# KiCad board yddraig09.kicad_pcb (continued)
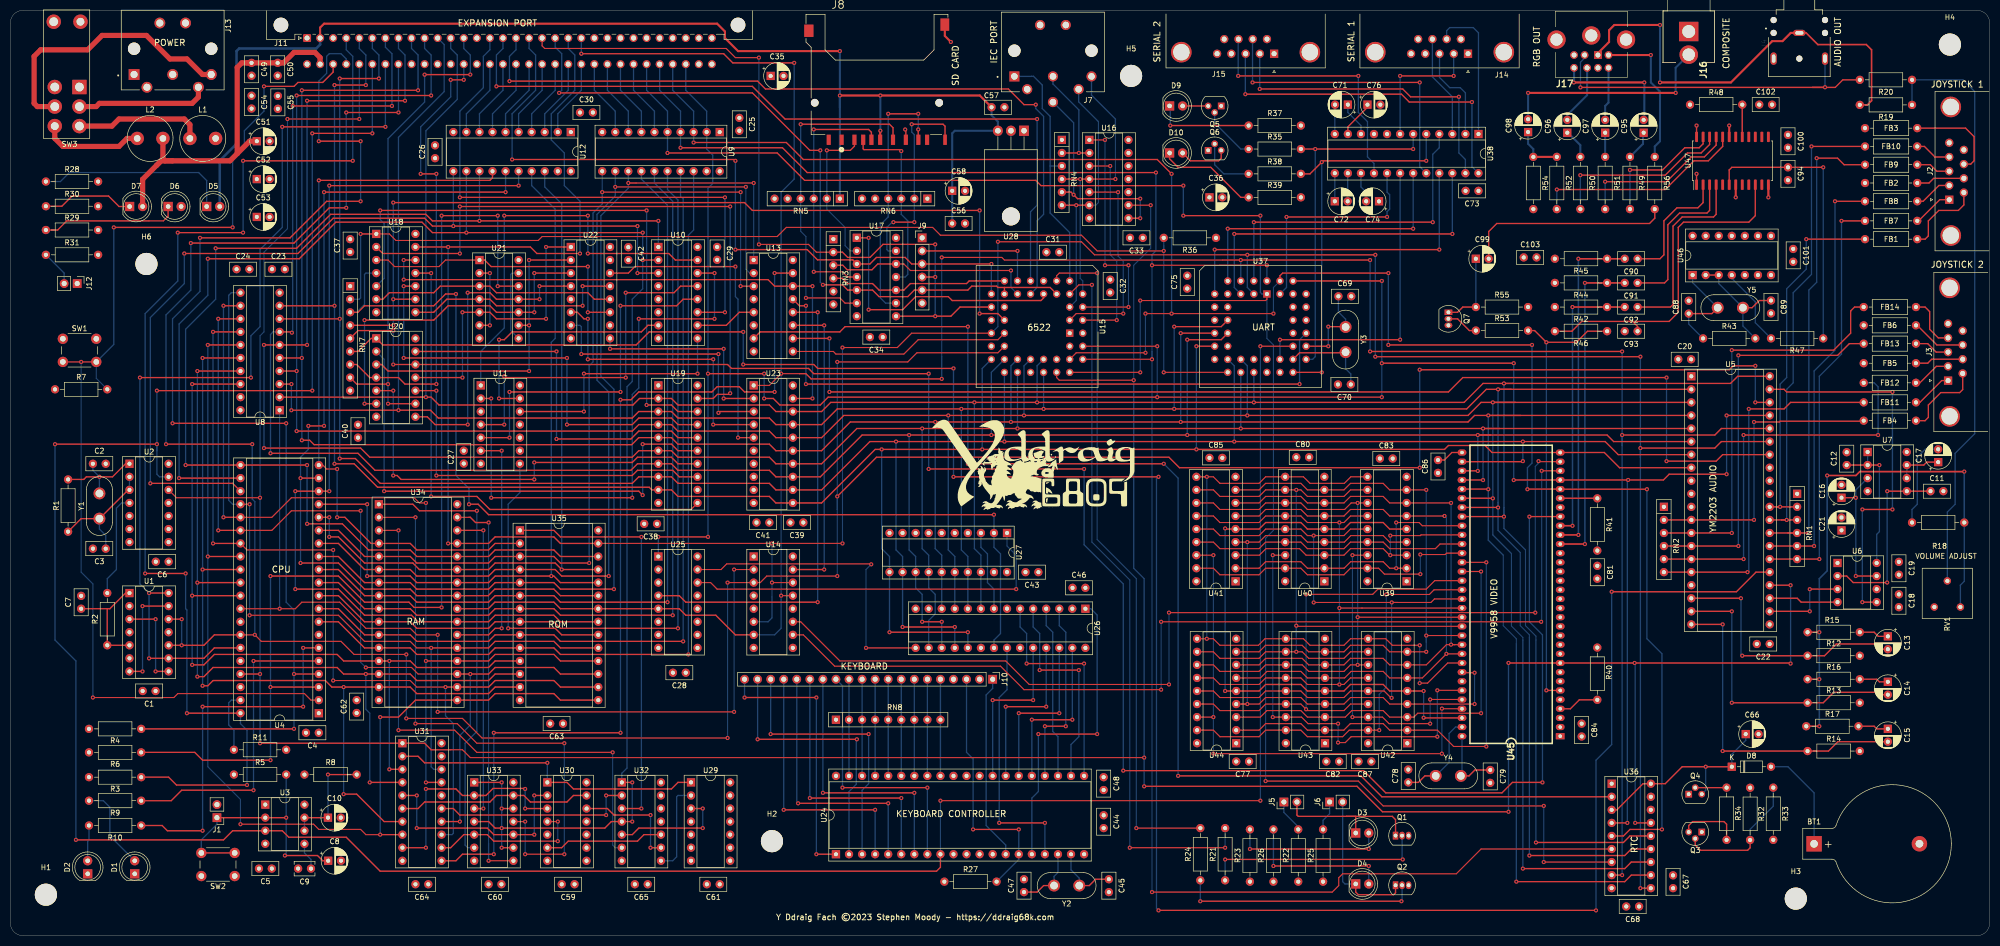
[diagram p0: board, top side]
## Footprints (pads in the part's own frame, mm; a bottom-side part is the same pattern mirrored in y, then rotated)
BatteryHolder_Keystone_103_1x20mm
  rect 3x3 hole 1.5: 1(0,0)
  round 3 hole 1.5: 2(20.49,0)
C_Disc_D3.8mm_W2.6mm_P2.50mm
  round 1.6 hole 0.8: 1(0,0) 2(2.5,0)
C_Disc_D5.0mm_W2.5mm_P2.50mm
  round 1.6 hole 0.8: 1(0,0) 2(2.5,0)
CONN_145638009211859+
  round 1.5 hole 1.5 unplated: (-12.1,-5.5) (12.1,-5.5)
  rect 0.8x2 smd: 1(-6.88,-12.7) 2(-4.38,-12.7) 3(-1.08,-12.7) 4(0.62,-12.7) 5(3.12,-12.7) 6(5.62,-12.7) 7(8.05,-12.7) 8(9.75,-12.7) 9(-9.38,-12.7) CD(-2.68,-12.7)
  rect 1.8x2.4 smd: 10(-13.25,8.5)
  rect 1.7x2.4 smd: 11(13.2,9.7)
  rect 0.7x2 smd: WP(13.24,-12.7)
CP_Radial_D5.0mm_P2.50mm
  rect 1.6x1.6 hole 0.8: 1(0,0)
  round 1.6 hole 0.8: 2(2.5,0)
Crystal_HC50_Vertical
  round 2.3 hole 1.5: 1(0,0) 2(4.9,0)
CUI_SDS-60J
  round 2.4 hole 2.4 unplated: (-7.5,0) (7.5,0)
  rect 1.95x1.95 hole 1.3: 1(7.5,5)
  round 1.95 hole 1.3: 2(5,7.5) 3(0,5) 4(-5,7.5) 5(-7.5,5) 6(0,10) E1(-2.5,-5) E2(2.5,-5)
D_DO-35_SOD27_P7.62mm_Horizontal
  rect 1.6x1.6 hole 0.8: 1(0,0)
  oval 1.6x1.6 hole 0.8: 2(7.62,0)
DIN41612_C_2x32_Male_Horizontal_THT
  round 2.85 hole 2.85 unplated: (-5.08,2.54) (83.82,2.54)
  rrect 1.55x1.55 hole 1: A1(0,0)
  round 1.55 hole 1: A2(2.54,0) A3(5.08,0) A4(7.62,0) A5(10.16,0) A6(12.7,0) A7(15.24,0) A8(17.78,0) A9(20.32,0) A10(22.86,0) A11(25.4,0) A12(27.94,0) A13(30.48,0) A14(33.02,0) A15(35.56,0) A16(38.1,0) A17(40.64,0) A18(43.18,0) A19(45.72,0) A20(48.26,0) A21(50.8,0) A22(53.34,0) A23(55.88,0) A24(58.42,0) A25(60.96,0) A26(63.5,0) A27(66.04,0) A28(68.58,0) A29(71.12,0) A30(73.66,0) A31(76.2,0) A32(78.74,0) C1(0,-5.08) C2(2.54,-5.08) C3(5.08,-5.08) C4(7.62,-5.08) C5(10.16,-5.08) C6(12.7,-5.08) C7(15.24,-5.08) C8(17.78,-5.08) C9(20.32,-5.08) C10(22.86,-5.08) C11(25.4,-5.08) C12(27.94,-5.08) C13(30.48,-5.08) C14(33.02,-5.08) C15(35.56,-5.08) C16(38.1,-5.08) C17(40.64,-5.08) C18(43.18,-5.08) C19(45.72,-5.08) C20(48.26,-5.08) C21(50.8,-5.08) C22(53.34,-5.08) C23(55.88,-5.08) C24(58.42,-5.08) C25(60.96,-5.08) C26(63.5,-5.08) C27(66.04,-5.08) C28(68.58,-5.08) C29(71.12,-5.08) C30(73.66,-5.08) C31(76.2,-5.08) C32(78.74,-5.08)
DIP-8_W7.62mm_Socket
  rect 1.6x1.6 hole 0.8: 1(0,0)
  oval 1.6x1.6 hole 0.8: 2(0,-2.54) 3(0,-5.08) 4(0,-7.62) 5(7.62,-7.62) 6(7.62,-5.08) 7(7.62,-2.54) 8(7.62,0)
DIP-14_W7.62mm_Socket
  rect 1.6x1.6 hole 0.8: 1(0,0)
  oval 1.6x1.6 hole 0.8: 2(0,-2.54) 3(0,-5.08) 4(0,-7.62) 5(0,-10.16) 6(0,-12.7) 7(0,-15.24) 8(7.62,-15.24) 9(7.62,-12.7) 10(7.62,-10.16) 11(7.62,-7.62) 12(7.62,-5.08) 13(7.62,-2.54) 14(7.62,0)
DIP-16_W7.62mm_Socket
  rect 1.6x1.6 hole 0.8: 1(0,0)
  oval 1.6x1.6 hole 0.8: 2(0,-2.54) 3(0,-5.08) 4(0,-7.62) 5(0,-10.16) 6(0,-12.7) 7(0,-15.24) 8(0,-17.78) 9(7.62,-17.78) 10(7.62,-15.24) 11(7.62,-12.7) 12(7.62,-10.16) 13(7.62,-7.62) 14(7.62,-5.08) 15(7.62,-2.54) 16(7.62,0)
DIP-18_W7.62mm_Socket
  rect 1.6x1.6 hole 0.8: 1(0,0)
  oval 1.6x1.6 hole 0.8: 2(0,-2.54) 3(0,-5.08) 4(0,-7.62) 5(0,-10.16) 6(0,-12.7) 7(0,-15.24) 8(0,-17.78) 9(0,-20.32) 10(7.62,-20.32) 11(7.62,-17.78) 12(7.62,-15.24) 13(7.62,-12.7) 14(7.62,-10.16) 15(7.62,-7.62) 16(7.62,-5.08) 17(7.62,-2.54) 18(7.62,0)
DIP-20_W7.62mm_Socket
  rect 1.6x1.6 hole 0.8: 1(0,0)
  oval 1.6x1.6 hole 0.8: 2(0,-2.54) 3(0,-5.08) 4(0,-7.62) 5(0,-10.16) 6(0,-12.7) 7(0,-15.24) 8(0,-17.78) 9(0,-20.32) 10(0,-22.86) 11(7.62,-22.86) 12(7.62,-20.32) 13(7.62,-17.78) 14(7.62,-15.24) 15(7.62,-12.7) 16(7.62,-10.16) 17(7.62,-7.62) 18(7.62,-5.08) 19(7.62,-2.54) 20(7.62,0)
DIP-24_W7.62mm_Socket
  rect 1.6x1.6 hole 0.8: 1(0,0)
  oval 1.6x1.6 hole 0.8: 2(0,-2.54) 3(0,-5.08) 4(0,-7.62) 5(0,-10.16) 6(0,-12.7) 7(0,-15.24) 8(0,-17.78) 9(0,-20.32) 10(0,-22.86) 11(0,-25.4) 12(0,-27.94) 13(7.62,-27.94) 14(7.62,-25.4) 15(7.62,-22.86) 16(7.62,-20.32) 17(7.62,-17.78) 18(7.62,-15.24) 19(7.62,-12.7) 20(7.62,-10.16) 21(7.62,-7.62) 22(7.62,-5.08) 23(7.62,-2.54) 24(7.62,0)
DIP-28_W7.62mm_Socket
  rect 1.6x1.6 hole 0.8: 1(0,0)
  oval 1.6x1.6 hole 0.8: 2(0,-2.54) 3(0,-5.08) 4(0,-7.62) 5(0,-10.16) 6(0,-12.7) 7(0,-15.24) 8(0,-17.78) 9(0,-20.32) 10(0,-22.86) 11(0,-25.4) 12(0,-27.94) 13(0,-30.48) 14(0,-33.02) 15(7.62,-33.02) 16(7.62,-30.48) 17(7.62,-27.94) 18(7.62,-25.4) 19(7.62,-22.86) 20(7.62,-20.32) 21(7.62,-17.78) 22(7.62,-15.24) 23(7.62,-12.7) 24(7.62,-10.16) 25(7.62,-7.62) 26(7.62,-5.08) 27(7.62,-2.54) 28(7.62,0)
DIP-28_W15.24mm_Socket
  rect 1.6x1.6 hole 0.8: 1(0,0)
  oval 1.6x1.6 hole 0.8: 2(0,-2.54) 3(0,-5.08) 4(0,-7.62) 5(0,-10.16) 6(0,-12.7) 7(0,-15.24) 8(0,-17.78) 9(0,-20.32) 10(0,-22.86) 11(0,-25.4) 12(0,-27.94) 13(0,-30.48) 14(0,-33.02) 15(15.24,-33.02) 16(15.24,-30.48) 17(15.24,-27.94) 18(15.24,-25.4) 19(15.24,-22.86) 20(15.24,-20.32) 21(15.24,-17.78) 22(15.24,-15.24) 23(15.24,-12.7) 24(15.24,-10.16) 25(15.24,-7.62) 26(15.24,-5.08) 27(15.24,-2.54) 28(15.24,0)
DIP-32_W15.24mm_Socket
  rect 1.6x1.6 hole 0.8: 1(0,0)
  oval 1.6x1.6 hole 0.8: 2(0,-2.54) 3(0,-5.08) 4(0,-7.62) 5(0,-10.16) 6(0,-12.7) 7(0,-15.24) 8(0,-17.78) 9(0,-20.32) 10(0,-22.86) 11(0,-25.4) 12(0,-27.94) 13(0,-30.48) 14(0,-33.02) 15(0,-35.56) 16(0,-38.1) 17(15.24,-38.1) 18(15.24,-35.56) 19(15.24,-33.02) 20(15.24,-30.48) 21(15.24,-27.94) 22(15.24,-25.4) 23(15.24,-22.86) 24(15.24,-20.32) 25(15.24,-17.78) 26(15.24,-15.24) 27(15.24,-12.7) 28(15.24,-10.16) 29(15.24,-7.62) 30(15.24,-5.08) 31(15.24,-2.54) 32(15.24,0)
DIP-40_W15.24mm_Socket
  rect 1.6x1.6 hole 0.8: 1(0,0)
  oval 1.6x1.6 hole 0.8: 2(0,-2.54) 3(0,-5.08) 4(0,-7.62) 5(0,-10.16) 6(0,-12.7) 7(0,-15.24) 8(0,-17.78) 9(0,-20.32) 10(0,-22.86) 11(0,-25.4) 12(0,-27.94) 13(0,-30.48) 14(0,-33.02) 15(0,-35.56) 16(0,-38.1) 17(0,-40.64) 18(0,-43.18) 19(0,-45.72) 20(0,-48.26) 21(15.24,-48.26) 22(15.24,-45.72) 23(15.24,-43.18) 24(15.24,-40.64) 25(15.24,-38.1) 26(15.24,-35.56) 27(15.24,-33.02) 28(15.24,-30.48) 29(15.24,-27.94) 30(15.24,-25.4) 31(15.24,-22.86) 32(15.24,-20.32) 33(15.24,-17.78) 34(15.24,-15.24) 35(15.24,-12.7) 36(15.24,-10.16) 37(15.24,-7.62) 38(15.24,-5.08) 39(15.24,-2.54) 40(15.24,0)
DIP-64-V9958
  rect 1.2x1.7 hole 0.7: 1(-27.59,-9.55)
  oval 1.2x1.7 hole 0.7: 2(-25.81,-9.55) 3(-24.03,-9.55) 4(-22.25,-9.55) 5(-20.47,-9.55) 6(-18.69,-9.55) 7(-16.91,-9.55) 8(-15.13,-9.55) 9(-13.35,-9.55) 10(-11.57,-9.55) 11(-9.79,-9.55) 12(-8.01,-9.55) 13(-6.23,-9.55) 14(-4.45,-9.55) 15(-2.67,-9.55) 16(-0.89,-9.55) 17(0.89,-9.55) 18(2.67,-9.55) 19(4.45,-9.55) 20(6.23,-9.55) 21(8.01,-9.55) 22(9.79,-9.55) 23(11.57,-9.55) 24(13.35,-9.55) 25(15.13,-9.55) 26(16.91,-9.55) 27(18.69,-9.55) 28(20.47,-9.55) 29(22.25,-9.55) 30(24.03,-9.55) 31(25.81,-9.55) 32(27.59,-9.55) 33(27.59,9.55) 34(25.81,9.55) 35(24.03,9.55) 36(22.25,9.55) 37(20.47,9.55) 38(18.69,9.55) 39(16.91,9.55) 40(15.13,9.55) 41(13.35,9.55) 42(11.57,9.55) 43(9.79,9.55) 44(8.01,9.55) 45(6.23,9.55) 46(4.45,9.55) 47(2.67,9.55) 48(0.89,9.55) 49(-0.89,9.55) 50(-2.67,9.55) 51(-4.45,9.55) 52(-6.23,9.55) 53(-8.01,9.55) 54(-9.79,9.55) 55(-11.57,9.55) 56(-13.35,9.55) 57(-15.13,9.55) 58(-16.91,9.55) 59(-18.69,9.55) 60(-20.47,9.55) 61(-22.25,9.55) 62(-24.03,9.55) 63(-25.81,9.55) 64(-27.59,9.55)
DSUB-9_Male_Horizontal_P2.77x2.84mm_EdgePinOffset4.94mm_Housed_MountingHolesOffset7.48mm
  round 4 hole 3.2: 0(-6.96,-0.3) 0(18.04,-0.3)
  rect 1.6x1.6 hole 1: 1(0,0)
  round 1.6 hole 1: 2(2.77,0) 3(5.54,0) 4(8.31,0) 5(11.08,0) 6(1.385,-2.84) 7(4.155,-2.84) 8(6.925,-2.84) 9(9.695,-2.84)
KLPX0848A2RG
  rect 3.765x3.765 hole 2.51: 1(0,0)
  round 3.6 hole 2.42: 2(4.5,0)
L_Axial_L6.6mm_D2.7mm_P10.16mm_Horizontal_Vishay_IM-2
  round 1.6 hole 0.8: 1(0,0)
  oval 1.6x1.6 hole 0.8: 2(10.16,0)
L_Radial_D8.7mm_P5.00mm_Fastron_07HCP
  round 2.6 hole 1.3: 1(0,0) 2(5,0)
LED_D5.0mm
  rect 1.8x1.8 hole 0.9: 1(0,0)
  round 1.8 hole 0.9: 2(2.54,0)
M2022_Rocker_Switch
  rect 2.8x2.8 hole 1.7: 1(0,0)
  round 2.8 hole 1.7: 2(0,3.8) 3(0,7.6) 4(4.8,0) 5(4.8,3.8) 8(5,-12.7)
  round 2.8 hole 1.524: 6(4.8,7.6) 7(-0.2,-12.7)
MINI-DIN-8-TE_57492681
  rect 1.509x1.509 hole 0.97: 1(0,0)
  round 1.509 hole 0.97: 2(-2.6,0) 3(2.05,0) 4(0,-2.49) 5(-4.65,0) 6(2.05,-2.49) 7(-2.11,-2.49) 8(-4.65,-2.49)
  round 3.555 hole 2.37: MH1(-8.06,3) MH2(-1.3,3.81) MH3(5.46,3)
MountingHole_4.3mm_M4
  round 4.3 hole 4.3 unplated: (0,0)
PinHeader_1x02_P2.54mm_Vertical
  rect 1.7x1.7 hole 1: 1(0,0)
  oval 1.7x1.7 hole 1: 2(0,-2.54)
PinHeader_1x06_P2.54mm_Vertical
  rect 1.7x1.7 hole 1: 1(0,0)
  oval 1.7x1.7 hole 1: 2(0,-2.54) 3(0,-5.08) 4(0,-7.62) 5(0,-10.16) 6(0,-12.7)
PinHeader_1x20_P2.54mm_Vertical
  rect 1.7x1.7 hole 1: 1(0,0)
  oval 1.7x1.7 hole 1: 2(0,-2.54) 3(0,-5.08) 4(0,-7.62) 5(0,-10.16) 6(0,-12.7) 7(0,-15.24) 8(0,-17.78) 9(0,-20.32) 10(0,-22.86) 11(0,-25.4) 12(0,-27.94) 13(0,-30.48) 14(0,-33.02) 15(0,-35.56) 16(0,-38.1) 17(0,-40.64) 18(0,-43.18) 19(0,-45.72) 20(0,-48.26)
PLCC-44_THT-Socket
  rect 1.422x1.422 hole 0.8: 1(0,0)
  round 1.422 hole 0.8: 2(-2.54,2.54) 3(-2.54,0) 4(-5.08,2.54) 5(-5.08,0) 6(-7.62,2.54) 7(-10.16,0) 8(-7.62,0) 9(-10.16,-2.54) 10(-7.62,-2.54) 11(-10.16,-5.08) 12(-7.62,-5.08) 13(-10.16,-7.62) 14(-7.62,-7.62) 15(-10.16,-10.16) 16(-7.62,-10.16) 17(-10.16,-12.7) 18(-7.62,-15.24) 19(-7.62,-12.7) 20(-5.08,-15.24) 21(-5.08,-12.7) 22(-2.54,-15.24) 23(-2.54,-12.7) 24(0,-15.24) 25(0,-12.7) 26(2.54,-15.24) 27(2.54,-12.7) 28(5.08,-15.24) 29(7.62,-12.7) 30(5.08,-12.7) 31(7.62,-10.16) 32(5.08,-10.16) 33(7.62,-7.62) 34(5.08,-7.62) 35(7.62,-5.08) 36(5.08,-5.08) 37(7.62,-2.54) 38(5.08,-2.54) 39(7.62,0) 40(5.08,2.54) 41(5.08,0) 42(2.54,2.54) 43(2.54,0) 44(0,2.54)
Potentiometer_Bourns_3386F_Vertical
  round 1.44 hole 0.8: 1(0,0) 2(5.08,2.54) 3(0,5.08)
R_Array_SIP6
  rect 1.6x1.6 hole 0.8: 1(0,0)
  oval 1.6x1.6 hole 0.8: 2(2.54,0) 3(5.08,0) 4(7.62,0) 5(10.16,0) 6(12.7,0)
R_Array_SIP9
  rect 1.6x1.6 hole 0.8: 1(0,0)
  oval 1.6x1.6 hole 0.8: 2(2.54,0) 3(5.08,0) 4(7.62,0) 5(10.16,0) 6(12.7,0) 7(15.24,0) 8(17.78,0) 9(20.32,0)
R_Axial_DIN0207_L6.3mm_D2.5mm_P10.16mm_Horizontal
  round 1.6 hole 0.8: 1(0,0)
  oval 1.6x1.6 hole 0.8: 2(10.16,0)
SOP-24_7.5x15.4mm_P1.27mm
  rrect 2x0.55 smd: 1(-4.65,6.985) 2(-4.65,5.715) 3(-4.65,4.445) 4(-4.65,3.175) 5(-4.65,1.905) 6(-4.65,0.635) 7(-4.65,-0.635) 8(-4.65,-1.905) 9(-4.65,-3.175) 10(-4.65,-4.445) 11(-4.65,-5.715) 12(-4.65,-6.985) 13(4.65,-6.985) 14(4.65,-5.715) 15(4.65,-4.445) 16(4.65,-3.175) 17(4.65,-1.905) 18(4.65,-0.635) 19(4.65,0.635) 20(4.65,1.905) 21(4.65,3.175) 22(4.65,4.445) 23(4.65,5.715) 24(4.65,6.985)
SW_PUSH_6mm_H4.3mm
  round 2 hole 1.1: 1(0,0) 1(6.5,0) 2(0,-4.5) 2(6.5,-4.5)
SWITCHCRAFT_35RAPC2BHN2
  round 1.2 hole 1.2 unplated: (-3.5,5) (-3.5,-5) (-1,5) (-1,-5) (4,0)
  oval 1.208x2.416 hole 0.7x1.6: 1(-1,0)
  oval 2.416x1.208 hole 1.6x0.7: 2(4,-5) 3(4,5)
SWITCHCRAFT_57PC5F
  round 2.39 hole 2.39 unplated: (0,7.505) (0,-7.505)
  rect 2.1x2.1 hole 1.4: 1(5.01,-7.505)
  round 2.1 hole 1.4: 2(5.01,0) 3(5.01,7.505) 4(7.5,-5.005) 5(7.5,5.005) G1(-5,2.5) G2(-5,-2.5)
TO-92
  rect 1.3x1.3 hole 0.75: 1(0,0)
  round 1.3 hole 0.75: 2(1.27,1.27) 3(2.54,0)
TO-92_Inline
  rect 1.05x1.5 hole 0.75: 1(0,0)
  oval 1.05x1.5 hole 0.75: 2(1.27,0) 3(2.54,0)
TO-220-3_Horizontal_TabDown
  oval 3.5x3.5 hole 3.5 unplated: (2.54,16.66)
  rect 1.905x2 hole 1.1: 1(0,0)
  oval 1.905x2 hole 1.1: 2(2.54,0) 3(5.08,0)

## Nets
+3V3: C56.1 C57.1 C58.1 D5.2 J8.4 J11.A2 RN5.1 U28.3
+5V: C1.1 C4.1 C5.1 C6.1 C18.1 C19.1 C20.1 C21.1 C22.1 C23.1 C24.1 C25.1 C26.1 C27.1 C28.1 C29.1 C30.1 C31.1 C32.1 C33.1 C34.1 C35.1 C36.1 C37.1 C38.1 C39.1 C40.1 C41.1 C42.1 C43.1 C44.1 C46.1 C48.1 C52.1 C53.1 C54.1 C55.1 C59.1 C60.1 C61.1 C62.1 C63.1 C64.1 C65.1 C67.1 C68.1 C73.1 C75.1 C76.2 C77.1 C80.1 C81.1 C82.1 C83.1 C84.1 C85.1 C87.1 C100.1 C101.1 C102.1 C103.1 D6.2 FB2.1 FB5.1 J9.1 J11.A1 J11.C1 J12.1 J17.5 L1.2 Q4.1 Q5.1 Q6.1 Q7.3 R3.1 R4.1 R5.1 R6.1 R7.1 R8.1 R22.1 R23.1 R25.1 R26.1 R27.1 R32.1 R36.1 R40.2 R41.2 R48.1 RN1.1 RN2.1 RN3.1 RN4.1 RN7.1 RN8.1 U1.2 U1.4 U1.6 U2.14 U3.4 U3.8 U4.7 U5.21 U6.1 U7.8 U8.20 U9.20 U10.6 U10.16 U11.9 U11.10 U11.14 U12.20 U13.6 U13.16 U14.16 U15.21 U15.26 U16.14 U17.14 U18.14 U19.20 U20.14 U21.14 U22.5 U22.10 U22.16 U23.6 U23.7 U23.8 U23.9 U23.20 U24.40 U25.6 U25.16 U26.23 U26.28 U27.20 U28.1 U29.14 U30.14 U31.20 U32.14 U33.14 U34.32 U35.28 U37.38 U37.39 U38.9 U39.9 U40.9 U41.9 U42.9 U43.9 U44.9 U45.21 U45.58 U46.14 U47.12 U47.19
+12V: C49.1 C50.1 C51.1 D7.2 J11.C2 L2.2
GND: BT1.2 C1.2 C2.2 C3.2 C4.2 C5.2 C6.2 C7.2 C8.2 C9.2 C10.2 C11.2 C12.2 C16.2 C18.2 C19.2 C20.2 C21.2 C22.2 C23.2 C24.2 C25.2 C26.2 C27.2 C28.2 C29.2 C30.2 C31.2 C32.2 C33.2 C34.2 C35.2 C36.2 C37.2 C38.2 C39.2 C40.2 C41.2 C42.2 C43.2 C44.2 C45.2 C46.2 C47.2 C48.2 C49.2 C50.2 C51.2 C52.2 C53.2 C54.2 C55.2 C56.2 C57.2 C58.2 C59.2 C60.2 C61.2 C62.2 C63.2 C64.2 C65.2 C66.2 C67.2 C68.2 C69.2 C70.2 C73.2 C74.1 C75.2 C77.2 C78.2 C79.2 C80.2 C81.2 C82.2 C83.2 C84.2 C85.2 C86.1 C87.2 C88.2 C89.2 C93.2 C94.2 C100.2 C101.2 C102.2 C103.2 D1.1 D2.1 FB3.1 FB6.1 J1.2 J2.0 J3.0 J4.2 J7.2 J8.6 J8.11 J9.6 J11.A31 J11.A32 J11.C31 J11.C32 J13.1 J13.2 J14.0 J14.5 J15.0 J15.5 J16.1 J17.4 Q1.3 Q2.3 Q3.1 R11.2 R12.2 R13.2 R14.2 R28.2 R29.2 R30.2 R31.2 R33.2 R37.2 R39.2 R42.2 R44.2 R45.2 R54.2 R55.2 RN6.1 RV1.3 SW1.1 SW2.1 U1.11 U2.5 U2.7 U2.9 U2.11 U3.1 U4.1 U5.1 U5.17 U6.6 U7.4 U8.10 U8.19 U9.1 U9.10 U9.19 U10.4 U10.5 U10.8 U11.7 U12.1 U12.10 U12.19 U13.4 U13.8 U14.1 U14.8 U15.1 U16.7 U16.11 U16.13 U17.7 U18.7 U19.1 U19.10 U20.7 U21.7 U22.8 U23.10 U24.20 U24.31 U25.2 U25.3 U25.8 U26.2 U26.7 U26.14 U27.4 U27.5 U27.6 U27.7 U27.8 U27.9 U27.10 U27.19 U28.2 U29.4 U29.5 U29.7 U29.9 U29.10 U29.12 U29.13 U30.5 U30.7 U30.9 U30.10 U30.11 U31.10 U32.7 U32.12 U32.13 U33.7 U34.16 U35.14 U36.9 U37.16 U37.17 U38.8 U39.1 U39.18 U40.1 U40.18 U41.1 U41.18 U42.1 U42.18 U43.1 U43.18 U44.1 U44.18 U45.1 U45.20 U46.5 U46.7 U46.9 U46.11 U46.13 U47.1 U47.7 U47.24
/6809 CPU/CLK_8MHZ: C7.1 R2.1 U1.1 U1.5
/6809 CPU/CLOCK_E: J11.C8 U1.10 U1.12 U4.34 U5.38 U14.3 U15.27
/6809 CPU/CLOCK_Q: J11.C7 U1.9 U1.14 U4.35
/6809 CPU/CPU_A0: U4.8 U9.18 U34.12 U35.10
/6809 CPU/CPU_A1: U4.9 U9.17 U34.11 U35.9
/6809 CPU/CPU_A2: U4.10 U9.16 U34.10 U35.8
/6809 CPU/CPU_A3: U4.11 U9.15 U34.9 U35.7
/6809 CPU/CPU_A4: U4.12 U9.14 U34.8 U35.6
/6809 CPU/CPU_A5: U4.13 U9.13 U13.1 U34.7 U35.5
/6809 CPU/CPU_A6: U4.14 U9.12 U13.2 U34.6 U35.4
/6809 CPU/CPU_A7: U4.15 U9.11 U13.3 U34.5 U35.3
/6809 CPU/CPU_A8: U4.16 U12.18 U34.27 U35.25
/6809 CPU/CPU_A9: U4.17 U12.17 U34.26 U35.24
/6809 CPU/CPU_A10: U4.18 U12.16 U34.23 U35.21
/6809 CPU/CPU_A11: U4.19 U12.15 U34.25 U35.23
/6809 CPU/CPU_A12: U4.20 U12.14 U34.4 U35.2
/6809 CPU/CPU_A13: U4.21 U10.1 U12.13 U34.28 U35.26
/6809 CPU/CPU_A14: U4.22 U10.2 U12.12 U32.1 U32.4 U33.1 U33.4 U33.9 U33.12
/6809 CPU/CPU_A15: U4.23 U10.3 U12.11
/6809 CPU/RD~{WR}: U4.32 U8.1 U14.2
/6809 CPU/RESET: J11.C6 U2.13 U3.3 U24.9 U37.32
/6809 CPU/~{FIRQ}: J11.C4 R4.2 U4.4
/6809 CPU/~{HALT}: J11.A4 R3.2 U4.40
/6809 CPU/~{IRQ}: R6.2 U4.3 U21.12
/6809 CPU/~{NMI}: J11.C3 R7.2 SW1.2 U4.2
/6809 CPU/~{RESET}: J11.C5 U2.12 U4.37 U5.24 U15.37 U16.9 U31.1 U36.15 U45.9
/Audio/A0: J11.C30 U5.37 U9.2 U15.42 U25.1 U36.4 U37.40 U45.29
/Audio/A1: J11.C29 U9.3 U15.41 U36.5 U37.42 U45.28
/Audio/A2: J11.C28 U9.4 U15.40 U36.6 U37.44
/Audio/A3: J11.C27 U9.5 U15.39 U36.7 U37.1
/Audio/A4: J11.C26 U9.6
/Audio/A5: J11.C25 U9.7
/Audio/A6: J11.C24 U9.8
/Audio/A7: J11.C23 U9.9
/Audio/A8: J11.C22 U12.2
/Audio/A9: J11.C21 U12.3
/Audio/A10: J11.C20 U12.4
/Audio/A11: J11.C19 U12.5
/Audio/A12: J11.C18 U12.6
/Audio/A13: J11.C17 U12.7
/Audio/A14: J11.C16 U12.8
/Audio/A15: J11.C15 U12.9
/Audio/AUDIO_L: J4.1 J17.1 R19.2
/Audio/AUDIO_OUT: R15.1 R16.1 R17.1 R18.1 RV1.1
/Audio/AUDIO_R: J4.3 J17.2 R20.2
/Audio/D0: J11.A12 U5.40 U8.2 U15.36 U19.2 U23.18 U26.9 U27.18 U36.14 U37.22 U45.40
/Audio/D1: J11.A11 U5.2 U8.3 U15.35 U19.3 U23.17 U26.10 U27.17 U36.13 U37.12 U45.39
/Audio/D2: J11.A10 U5.3 U8.4 U15.34 U19.4 U23.16 U26.11 U27.16 U36.12 U37.21 U45.38
/Audio/D3: J11.A9 U5.4 U8.5 U15.32 U19.5 U23.15 U26.12 U27.15 U36.11 U37.13 U45.37
/Audio/D4: J11.A8 U5.5 U8.6 U15.31 U19.6 U23.14 U26.16 U27.14 U37.20 U45.36
/Audio/D5: J11.A7 U5.6 U8.7 U15.30 U19.7 U23.13 U26.17 U27.13 U37.14 U45.35
/Audio/D6: J11.A6 U5.7 U8.8 U15.29 U19.8 U23.12 U26.18 U27.12 U37.19 U45.34
/Audio/D7: J11.A5 U5.8 U8.9 U15.28 U19.9 U23.11 U26.19 U27.11 U37.15 U45.32
/Audio/~{CS_SND}: U5.34 U13.10
/Audio/~{IRQ_SND}: RN7.6 U5.25 U20.1
/Decode Logic/~{BANKSEL}: U13.15 U31.11
/Decode Logic/~{CS_EXP}: J11.A15 U10.11
/Decode Logic/~{CS_IRQEN}: U13.14 U18.12 U23.19
/Decode Logic/~{CS_KBD}: U13.12 U25.4
/Decode Logic/~{CS_RAM}: U11.6 U34.22
/Decode Logic/~{CS_ROM}: U11.8 U35.20
/Decode Logic/~{CS_RTC}: U13.7 U36.2
/Decode Logic/~{CS_UART}: U13.13 U37.33
/Decode Logic/~{CS_VDP}: U13.11 U14.15
/Decode Logic/~{CS_VIA}: U13.9 U15.25
/Decode Logic/~{IOSEL}: U10.10 U13.5
/Decode Logic/~{MEM0}: U10.15 U11.1
/Decode Logic/~{MEM2}: U10.14 U11.2
/Decode Logic/~{MEM4}: U10.13 U11.4
/Decode Logic/~{MEM6}: U10.12 U11.5
/Decode Logic/~{MEMC}: U10.9 U11.12
/Decode Logic/~{MEME}: U10.7 U11.13
/Decode Logic/~{VDP_RD}: U14.11 U45.31
/Decode Logic/~{VDP_WR}: U14.10 U45.30
/Interrupts/~{IRQ0}: R36.2 RN7.2 U18.1 U37.18
/Interrupts/~{IRQ3}: RN7.5 U20.12 U45.25
/Interrupts/~{IRQ5}: J11.C13 RN7.7 U20.4
/Interrupts/~{IRQ6}: J11.A13 RN7.8 U20.9
/IO/ATN_OUT: U15.4 U16.1
/IO/CLK_IN: J7.5 RN4.4 U15.6 U16.4
/IO/CLK_OUT: U15.3 U16.5
/IO/DATA_IN: J7.4 RN4.6 U15.5 U16.6
/IO/DATA_OUT: U15.2 U16.3
/IO/IEC_ATTN: J7.3 RN4.2 U16.2
/IO/SD_CD: RN3.4 U15.17 U17.10
/IO/SD_CDV3: J8.CD RN6.3 U17.11
/IO/SD_CLK: J8.5 RN5.4 U17.6
/IO/SD_MISO: J8.7 RN6.4 U17.9
/IO/SD_MOSI: J8.3 RN5.3 U17.4
/IO/SD_WP: RN3.3 U15.16 U17.12
/IO/SD_WPV3: J8.WP RN6.2 U17.13
/IO/SPI_CLK: J9.5 J11.A20 U15.10 U15.19 U17.5
/IO/SPI_MISO: J9.4 J11.A19 RN3.2 U15.20 U17.8
/IO/SPI_MOSI: J9.3 J11.A18 U15.18 U17.3
/IO/USER1: R21.2 U15.8
/IO/USER2: R24.2 U15.9
/IO/~{IEC_RESET}: J7.6 RN4.5 U16.8
/IO/~{IEC_SRQIN}: J7.1 RN4.3 U15.7
/IO/~{IRQ_VIA}: RN7.4 U15.23 U18.9
/IO/~{SD_SS}: J8.2 RN5.2 U17.2
/IO/~{SPI_SS0}: U15.12 U17.1
/IO/~{SPI_SS1}: J11.A16 U15.13
/IO/~{SPI_SS2}: J11.A17 U15.14
/IO/~{SPI_SS3}: J9.2 U15.15
/Keyboard/SCDAT0: U24.21 U26.6
/Keyboard/SCDAT1: U24.22 U26.5
/Keyboard/SCDAT2: U24.23 U26.4
/Keyboard/SCDAT3: U24.24 U26.3
/Keyboard/SCDAT4: U24.25 U26.27
/Keyboard/SCDAT5: U24.26 U26.26
/Keyboard/SCDAT6: U24.27 U26.25
/Keyboard/SCDAT7: U24.28 U26.24
/Keyboard/~{COL0}: J10.20 U24.1
/Keyboard/~{COL1}: J10.19 U24.2
/Keyboard/~{COL2}: J10.18 U24.3
/Keyboard/~{COL3}: J10.17 U24.4
/Keyboard/~{COL4}: J10.16 U24.5
/Keyboard/~{COL5}: J10.15 U24.6
/Keyboard/~{COL6}: J10.14 U24.7
/Keyboard/~{COL7}: J10.13 U24.8
/Keyboard/~{COL8}: J10.1 U24.14
/Keyboard/~{FIFO_CLR}: U24.17 U26.22
/Keyboard/~{FIFO_EMPTY}: RN7.3 U18.4 U26.21 U27.2
/Keyboard/~{FIFO_FULL}: U26.8 U27.3
/Keyboard/~{FIFO_RD}: U25.15 U26.15
/Keyboard/~{FIFO_WR}: U24.16 U26.1
/Keyboard/~{KBD_STATUS}: U25.14 U27.1
/Keyboard/~{ROW0}: J10.12 RN8.2 U24.39
/Keyboard/~{ROW1}: J10.11 RN8.3 U24.38
/Keyboard/~{ROW2}: J10.10 RN8.4 U24.37
/Keyboard/~{ROW3}: J10.9 RN8.5 U24.36
/Keyboard/~{ROW4}: J10.8 RN8.6 U24.35
/Keyboard/~{ROW5}: J10.7 RN8.7 U24.34
/Keyboard/~{ROW6}: J10.6 RN8.8 U24.33
/Keyboard/~{ROW7}: J10.5 RN8.9 U24.32
/Keyboard/~{ROW8}: J10.3 R27.2 U24.15
/RAM and ROM/BSEL0: U29.1 U30.1 U31.2
/RAM and ROM/BSEL1: U30.2 U31.5 U33.10
/RAM and ROM/BSEL2: U30.13 U31.6 U33.13
/RAM and ROM/BSEL3: U30.3 U31.9 U33.2
/RAM and ROM/BSEL4: U30.4 U31.12 U33.5
/RAM and ROM/BSEL5: U31.15 U32.2
/RAM and ROM/D0: U4.31 U8.18 U31.3 U34.13 U35.11
/RAM and ROM/D1: U4.30 U8.17 U31.4 U34.14 U35.12
/RAM and ROM/D2: U4.29 U8.16 U31.7 U34.15 U35.13
/RAM and ROM/D3: U4.28 U8.15 U31.8 U34.17 U35.15
/RAM and ROM/D4: U4.27 U8.14 U31.13 U34.18 U35.16
/RAM and ROM/D5: U4.26 U8.13 U31.14 U34.19 U35.17
/RAM and ROM/D6: U4.25 U8.12 U31.17 U34.20 U35.18
/RAM and ROM/D7: U4.24 U8.11 U31.18 U34.21 U35.19
/RAM and ROM/RAMB0: U32.6 U34.3
/RAM and ROM/RAMB1: U33.8 U34.31
/RAM and ROM/RAMB2: U33.11 U34.2
/RAM and ROM/RAMB3: U33.3 U34.30
/RAM and ROM/RAMB4: U33.6 U34.1
/RAM and ROM/ROMBANK: U32.3 U35.1
/Serial Ports/CTSA: U37.2 U38.4
/Serial Ports/CTSB: U37.43 U38.17
/Serial Ports/RTSA: U37.27 U38.18
/Serial Ports/RTSB: U37.7 U38.21
/Serial Ports/RXDA: R38.2 U37.28 U38.5
/Serial Ports/RXDB: U37.6 U38.19
/Serial Ports/TXDA: R35.2 U37.29 U38.6
/Serial Ports/TXDB: U37.5 U38.22
/Video/BLUE: C92.2 R42.1 U45.24
/Video/GREEN: C91.2 R44.1 U45.22
/Video/RED: C90.2 R45.1 U45.23
/Video/VA0: U39.14 U40.14 U41.14 U42.14 U43.14 U44.14 U45.49
/Video/VA1: U39.13 U40.13 U41.13 U42.13 U43.13 U44.13 U45.50
/Video/VA2: U39.12 U40.12 U41.12 U42.12 U43.12 U44.12 U45.51
/Video/VA3: U39.11 U40.11 U41.11 U42.11 U43.11 U44.11 U45.52
/Video/VA4: U39.8 U40.8 U41.8 U42.8 U43.8 U44.8 U45.53
/Video/VA5: U39.7 U40.7 U41.7 U42.7 U43.7 U44.7 U45.54
/Video/VA6: U39.6 U40.6 U41.6 U42.6 U43.6 U44.6 U45.55
/Video/VA7: U39.10 U40.10 U41.10 U42.10 U43.10 U44.10 U45.56
/Video/VD0: U39.2 U40.2 U41.2 U45.41
/Video/VD1: U39.3 U40.3 U41.3 U45.42
/Video/VD2: U39.15 U40.15 U41.15 U45.43
/Video/VD3: U39.17 U40.17 U41.17 U45.44
/Video/VD4: U42.2 U43.2 U44.2 U45.45
/Video/VD5: U42.3 U43.3 U44.3 U45.46
/Video/VD6: U42.15 U43.15 U44.15 U45.47
/Video/VD7: U42.17 U43.17 U44.17 U45.48
/Video/VR~{W}: U39.4 U40.4 U41.4 U42.4 U43.4 U44.4 U45.57
/Video/~{CAS0}: U41.16 U44.16 U45.61
/Video/~{CAS1}: U39.16 U42.16 U45.60
/Video/~{CASX}: U40.16 U43.16 U45.59
/Video/~{CSYNC}: R46.1 R53.2 U45.6
/Video/~{RAS}: U39.5 U40.5 U41.5 U42.5 U43.5 U44.5 U45.62
/VideoOut/BOUT: C97.2 J17.6
/VideoOut/CVOUT: C98.2 J16.2
/VideoOut/GOUT: C96.2 J17.7
/VideoOut/PAL_CLK: C94.1 R47.1 U47.6
/VideoOut/ROUT: C95.2 J17.8
/VideoOut/SYNCOUT: J17.3 R56.1
/~{RD}: J11.A22 U5.36 U14.7 U14.13 U23.1 U25.5 U34.24 U35.22 U36.8 U37.4
/~{WR}: J11.A21 U5.35 U14.6 U14.14 U15.24 U18.13 U34.29 U35.27 U36.10 U37.3
Net-(BT1-Pad1): BT1.1 D8.2
Net-(C2-Pad1): C2.1 R1.1 U2.1 Y1.2
Net-(C3-Pad1): C3.1 R1.2 U2.2 U2.3 Y1.1
Net-(C8-Pad1): C8.1 J1.1 R5.2 SW2.2 U3.2
Net-(C9-Pad1): C9.1 U3.5
Net-(C10-Pad1): C10.1 R8.2 U3.6 U3.7
Net-(C11-Pad1): C11.1 U6.2 U7.5
Net-(C12-Pad1): C12.1 U6.8 U7.1 U7.2
Net-(C13-Pad1): C13.1 R15.2
Net-(C13-Pad2): C13.2 R12.1 U5.18
Net-(C14-Pad1): C14.1 R16.2
Net-(C14-Pad2): C14.2 R13.1 U5.19
Net-(C15-Pad1): C15.1 R17.2
Net-(C15-Pad2): C15.2 R14.1 U5.20
Net-(C16-Pad1): C16.1 U6.7 U7.3
Net-(C17-Pad1): C17.1 U7.6 U7.7
Net-(C17-Pad2): C17.2 R18.2
Net-(C45-Pad1): C45.1 U24.19 Y2.1
Net-(C47-Pad1): C47.1 U24.18 Y2.2
Net-(C66-Pad1): C66.1 D8.1 Q4.3 U36.3 U36.18
Net-(C69-Pad1): C69.1 U37.31 Y3.1
Net-(C70-Pad1): C70.1 U37.30 Y3.2
Net-(C71-Pad1): C71.1 U38.10
Net-(C71-Pad2): C71.2 U38.12
Net-(C72-Pad1): C72.1 U38.13
Net-(C72-Pad2): C72.2 U38.14
Net-(C74-Pad2): C74.2 U38.15
Net-(C76-Pad1): C76.1 U38.11
Net-(C78-Pad1): C78.1 U45.63 Y4.1
Net-(C79-Pad1): C79.1 U45.64 Y4.2
Net-(C86-Pad2): C86.2 U45.33
Net-(C88-Pad1): C88.1 R43.1 U46.1 Y5.2
Net-(C89-Pad1): C89.1 R43.2 U46.2 U46.3 Y5.1
Net-(C90-Pad1): C90.1 U47.2
Net-(C91-Pad1): C91.1 U47.3
Net-(C92-Pad1): C92.1 U47.4
Net-(C93-Pad1): C93.1 R46.2 U47.10
Net-(C95-Pad1): C95.1 R49.1
Net-(C96-Pad1): C96.1 R50.1
Net-(C97-Pad1): C97.1 R51.1
Net-(C98-Pad1): C98.1 R52.1 R54.1
Net-(C99-Pad1): C99.1 Q7.1 R55.1
Net-(C99-Pad2): C99.2 R56.2
Net-(D1-Pad2): D1.2 R9.2
Net-(D2-Pad2): D2.2 R10.2
Net-(D3-Pad1): D3.1 J5.2 Q1.1
Net-(D3-Pad2): D3.2 R23.2
Net-(D4-Pad1): D4.1 J6.2 Q2.1
Net-(D4-Pad2): D4.2 R26.2
Net-(D5-Pad1): D5.1 R28.1
Net-(D6-Pad1): D6.1 R29.1
Net-(D7-Pad1): D7.1 R30.1
Net-(D9-Pad1): D9.1 R37.1
Net-(D9-Pad2): D9.2 Q5.3
Net-(D10-Pad1): D10.1 R39.1
Net-(D10-Pad2): D10.2 Q6.3
Net-(FB1-Pad1): FB1.1 RN1.2 U5.30
Net-(FB1-Pad2): FB1.2 J2.6
Net-(FB2-Pad2): FB2.2 J2.7
Net-(FB3-Pad2): FB3.2 J2.8
Net-(FB4-Pad1): FB4.1 RN2.2 U5.12
Net-(FB4-Pad2): FB4.2 J3.6
Net-(FB5-Pad2): FB5.2 J3.7
Net-(FB6-Pad2): FB6.2 J3.8
Net-(FB7-Pad1): FB7.1 RN1.6 U5.26
Net-(FB7-Pad2): FB7.2 J2.1
Net-(FB8-Pad1): FB8.1 RN1.5 U5.27
Net-(FB8-Pad2): FB8.2 J2.2
Net-(FB9-Pad1): FB9.1 RN1.4 U5.28
Net-(FB9-Pad2): FB9.2 J2.3
Net-(FB10-Pad1): FB10.1 RN1.3 U5.29
Net-(FB10-Pad2): FB10.2 J2.4
Net-(FB11-Pad1): FB11.1 RN2.6 U5.16
Net-(FB11-Pad2): FB11.2 J3.1
Net-(FB12-Pad1): FB12.1 RN2.5 U5.15
Net-(FB12-Pad2): FB12.2 J3.2
Net-(FB13-Pad1): FB13.1 RN2.4 U5.14
Net-(FB13-Pad2): FB13.2 J3.3
Net-(FB14-Pad1): FB14.1 RN2.3 U5.13
Net-(FB14-Pad2): FB14.2 J3.4
Net-(J5-Pad1): J5.1 R22.2
Net-(J6-Pad1): J6.1 R25.2
Net-(J12-Pad2): J12.2 R31.1
Net-(J13-Pad3): J13.3 SW3.5
Net-(J13-Pad5): J13.5 SW3.2
Net-(J14-Pad2): J14.2 U38.7
Net-(J14-Pad3): J14.3 U38.2
Net-(J14-Pad7): J14.7 U38.1
Net-(J14-Pad8): J14.8 U38.3
Net-(J15-Pad2): J15.2 U38.23
Net-(J15-Pad3): J15.3 U38.24
Net-(J15-Pad7): J15.7 U38.20
Net-(J15-Pad8): J15.8 U38.16
Net-(L1-Pad1): L1.1 SW3.3
Net-(L2-Pad1): L2.1 SW3.6
Net-(Q1-Pad2): Q1.2 R21.1
Net-(Q2-Pad2): Q2.2 R24.1
Net-(Q3-Pad2): Q3.2 R32.2 R33.1
Net-(Q3-Pad3): Q3.3 R34.2
Net-(Q4-Pad2): Q4.2 R34.1
Net-(Q5-Pad2): Q5.2 R35.1
Net-(Q6-Pad2): Q6.2 R38.1
Net-(Q7-Pad2): Q7.2 R53.1
Net-(R2-Pad2): R2.2 U2.4
Net-(R9-Pad1): R9.1 U4.5
Net-(R10-Pad1): R10.1 U4.6
Net-(R11-Pad1): R11.1 U4.39
Net-(R19-Pad1): R19.1 R20.1 RV1.2
Net-(R40-Pad1): R40.1 U45.4
Net-(R41-Pad1): R41.1 U45.27
Net-(R47-Pad2): R47.2 U46.4
Net-(R48-Pad2): R48.2 U47.17
Net-(R49-Pad2): R49.2 U47.23
Net-(R50-Pad2): R50.2 U47.22
Net-(R51-Pad2): R51.2 U47.21
Net-(R52-Pad2): R52.2 U47.20
Net-(U1-Pad3): U1.3 U1.8
Net-(U1-Pad13): U1.7 U1.13
Net-(U5-Pad22): U5.22 U6.3
Net-(U5-Pad23): U5.23 U6.4
Net-(U5-Pad39): U5.39 U6.5
Net-(U18-Pad2): U18.2 U19.19
Net-(U18-Pad3): U18.3 U21.1 U22.11
Net-(U18-Pad5): U18.5 U19.18
Net-(U18-Pad6): U18.6 U21.3 U22.12
Net-(U18-Pad8): U18.8 U21.4 U22.13
Net-(U18-Pad10): U18.10 U19.17
Net-(U18-Pad11): U18.11 U19.11
Net-(U19-Pad13): U19.13 U20.10
Net-(U19-Pad14): U19.14 U20.5
Net-(U19-Pad15): U19.15 U20.2
Net-(U19-Pad16): U19.16 U20.13
Net-(U20-Pad3): U20.3 U21.9 U22.2
Net-(U20-Pad6): U20.6 U21.10 U22.3
Net-(U20-Pad8): U20.8 U21.11 U22.4
Net-(U20-Pad11): U20.11 U21.5 U22.1
Net-(U21-Pad2): U21.2 U21.6
Net-(U21-Pad13): U21.8 U21.13
Net-(U22-Pad6): U22.6 U23.4
Net-(U22-Pad7): U22.7 U23.3
Net-(U22-Pad9): U22.9 U23.2
Net-(U22-Pad14): U22.14 U23.5
Net-(U29-Pad2): U29.2 U32.8
Net-(U29-Pad3): U29.3 U32.5
Net-(U30-Pad6): U30.6 U32.10
Net-(U30-Pad12): U30.12 U32.9

Pads without a net: J2 5 9; J3 5 9; J7 E1 E2; J8 1 8 9 10; J10 2 4; J11 A3 A14 A23 A24 A25 A26 A27 A28 A29 A30 C9 C10 C11 C12 C14; J13 4 G1 G2; J14 1 4 6 9; J15 1 4 6 9; J17 MH1 MH2 MH3; RN3 5 6; RN5 5 6; RN6 5 6; RN7 9; SW3 1 4 7 8; U2 6 8 10; U4 33 36 38; U5 9 10 11 31 32 33; U11 3 11; U14 4 5 9 12; U15 11 22 33 38 43 44; U16 10 12; U19 12; U22 15; U24 10 11 12 13 29 30; U25 7 9 10 11 12 13; U26 13 20; U29 6 8 11; U30 8; U31 16 19; U32 11; U36 1 16 17; U37 8 9 10 11 23 24 25 26 34 35 36 37 41; U45 2 3 5 7 8 10 11 12 13 14 15 16 17 18 19 26; U46 6 8 10 12; U47 5 8 9 11 13 14 15 16 18

## Via types
v1: diameter 0.8, hole 0.4, Top to Bottom, 799 vias

## Routing (per net, layer and track width the routed paths; a pad name or vN(x,y) marks a point on that pad's centre or on a via; arc(x,y) is an arc through that point)
+3V3: length 257.8
  Top w0.4: J11.A2 60.26,176.63 61.03,177.39 137.48,177.39 139,175.87 139,174.6 141.54,172.06 v1(161.36,172.06) ; J8.4 169.19,156.53 v1(169.23,156.57) ; v1(161.36,163.42) v1(169.23,163.42) 188.57,163.42 C57.1
  Bottom w0.4: 161.36,161.14 v1(161.36,163.42) ; 161.36,161.14 v1(161.36,172.06) ; 161.36,161.14 RN5.1 ; v1(169.23,156.57) v1(169.23,163.42) ; C57.1 190.86,159.57 192.09,158.34 U28.3 183.71,156.57 183.2,156.06 C58.1 C56.1
  Bottom w0.5: D5.2 40.74,150.76 44.01,154.03 44.01,172.06 44.52,172.57 59.5,172.57 60.26,173.33 J11.A2
+5V: length 4.7
  Top w0.4: U47.19 v1(334.33,157.58) ; U47.12 v1(341.95,143.61)
+12V: length 76.3
  Top w1: 46.04,169.77 C49.1 ; 46.04,169.77 52.64,169.77 C50.1 53.15,169.77 55.18,171.81 59.25,171.81 60.26,170.79 J11.C2 ; 46.04,169.77 45.02,169.77 44.14,168.88 44.14,152.12 ; 28.42,149.8 25.74,147.12 D7.2 ; 28.42,149.8 29.69,151.07 ; 28.42,149.8 29.34,150.72 31.56,150.72 ; C51.1 46.55,154.53 44.14,152.12 ; 31.56,150.72 42.74,150.72 44.14,152.12 ; 31.56,150.72 30.04,150.72 29.69,151.07 ; 29.69,151.07 L2.2
GND: length 12.7
  Top w0.25: U47.1 v1(327.98,148.18) ; v1(174.06,156.82) 174.19,156.69 J8.6 ; U47.24 v1(327.98,157.58)
  Top w0.4: J8.11 181.77,175.01 v1(182.95,173.84) ; U47.7 v1(335.6,143.61)
/6809 CPU/CLK_8MHZ: length 22.1
  Top w0.25: 18.86,63.6 19.37,63.6 22.42,66.65 U1.1 ; 18.86,63.6 C7.1 ; 18.86,63.6 R2.1 U1.5
/6809 CPU/CLOCK_E: length 641
  Top w0.21: v1(139.51,68.68) U14.3 145.86,68.68 147.13,69.95 v1(160.85,69.95) ; v1(139.51,38.46) 91.76,38.46 87.95,42.27 v1(77.03,42.27) ; U4.34 v1(47.56,58.52) 48.83,57.25 64.33,57.25 66.87,54.71 v1(77.03,54.71) ; U15.27 192.09,113.39 176.34,113.39 174.56,111.61 v1(160.85,111.61)
  Top w0.25: v1(75.5,160.12) v1(65.34,160.12) ; v1(160.85,85.45) 168.47,93.07 225.36,93.07 227.4,91.03 v1(274.13,91.03) ; U1.10 v1(33.34,56.49) 37.66,56.49 39.69,58.52 U4.34 ; v1(30.29,95.61) v1(47.06,95.61) ; v1(65.34,141.58) 62.04,141.58 55.18,134.72 v1(35.12,134.72) ; v1(339.41,103.73) U5.38 ; U1.12 v1(33.34,61.57) ; v1(339.41,110.85) 335.09,110.85 334.33,110.08 v1(274.13,110.08)
  Bottom w0.21: v1(77.03,54.71) v1(77.03,42.27) ; v1(160.85,69.95) v1(160.85,111.61) ; v1(139.51,38.46) v1(139.51,68.68)
  Bottom w0.25: v1(47.06,95.61) 47.06,84.94 47.56,84.43 v1(47.56,58.52) ; v1(35.12,134.72) 35.12,125.58 30.29,120.75 v1(30.29,95.61) ; v1(339.41,110.85) v1(339.41,103.73) ; J11.C8 v1(75.5,160.12) ; v1(274.13,91.03) v1(274.13,110.08) ; v1(33.34,61.57) v1(33.34,56.49) ; 160.85,82.91 v1(160.85,85.45) ; v1(65.34,160.12) v1(65.34,141.58)
/6809 CPU/CLOCK_Q: length 182.9
  Top w0.25: v1(46.8,108.56) v1(25.21,108.56) ; v1(26.99,66.65) U1.14 ; v1(26.99,53.95) U1.9 37.66,53.95 39.69,55.98 U4.35 ; v1(52.9,157.33) v1(72.96,157.33)
  Bottom w0.25: v1(52.9,157.33) 52.9,137.77 48.58,133.45 48.58,118.47 46.8,116.69 v1(46.8,108.56) ; v1(26.99,53.95) v1(26.99,66.65) 25.21,68.43 v1(25.21,108.56) ; J11.C7 v1(72.96,157.33)
/6809 CPU/CPU_A0: length 170
  Top w0.25: U4.8 63.82,61.06 68.9,55.98 U34.12 77.79,55.98 79.06,54.71 93.03,54.71 94.3,55.98 U35.10 105.73,55.98 107,54.71 v1(131.89,54.71)
  Bottom w0.25: v1(131.89,54.71) 131.89,136.25 132.91,137.26 U9.18
/6809 CPU/CPU_A1: length 166.2
  Top w0.25: U4.9 63.82,63.6 68.9,58.52 U34.11 77.79,58.52 79.06,57.25 93.03,57.25 94.3,58.52 U35.9 105.73,58.52 107,57.25 v1(130.88,57.25)
  Bottom w0.25: v1(130.88,57.25) 130.88,143.36 130.37,143.87 U9.17
/6809 CPU/CPU_A2: length 163.3
  Top w0.25: v1(129.86,59.79) 107,59.79 105.73,61.06 U35.8 94.3,61.06 93.03,59.79 79.06,59.79 77.79,61.06 U34.10 68.9,61.06 63.82,66.14 U4.10
  Bottom w0.25: v1(129.86,59.79) 129.86,143.1 127.83,145.14 U9.16
